# KiCad board ardumower mega shield svn.kicad_pcb (continued)
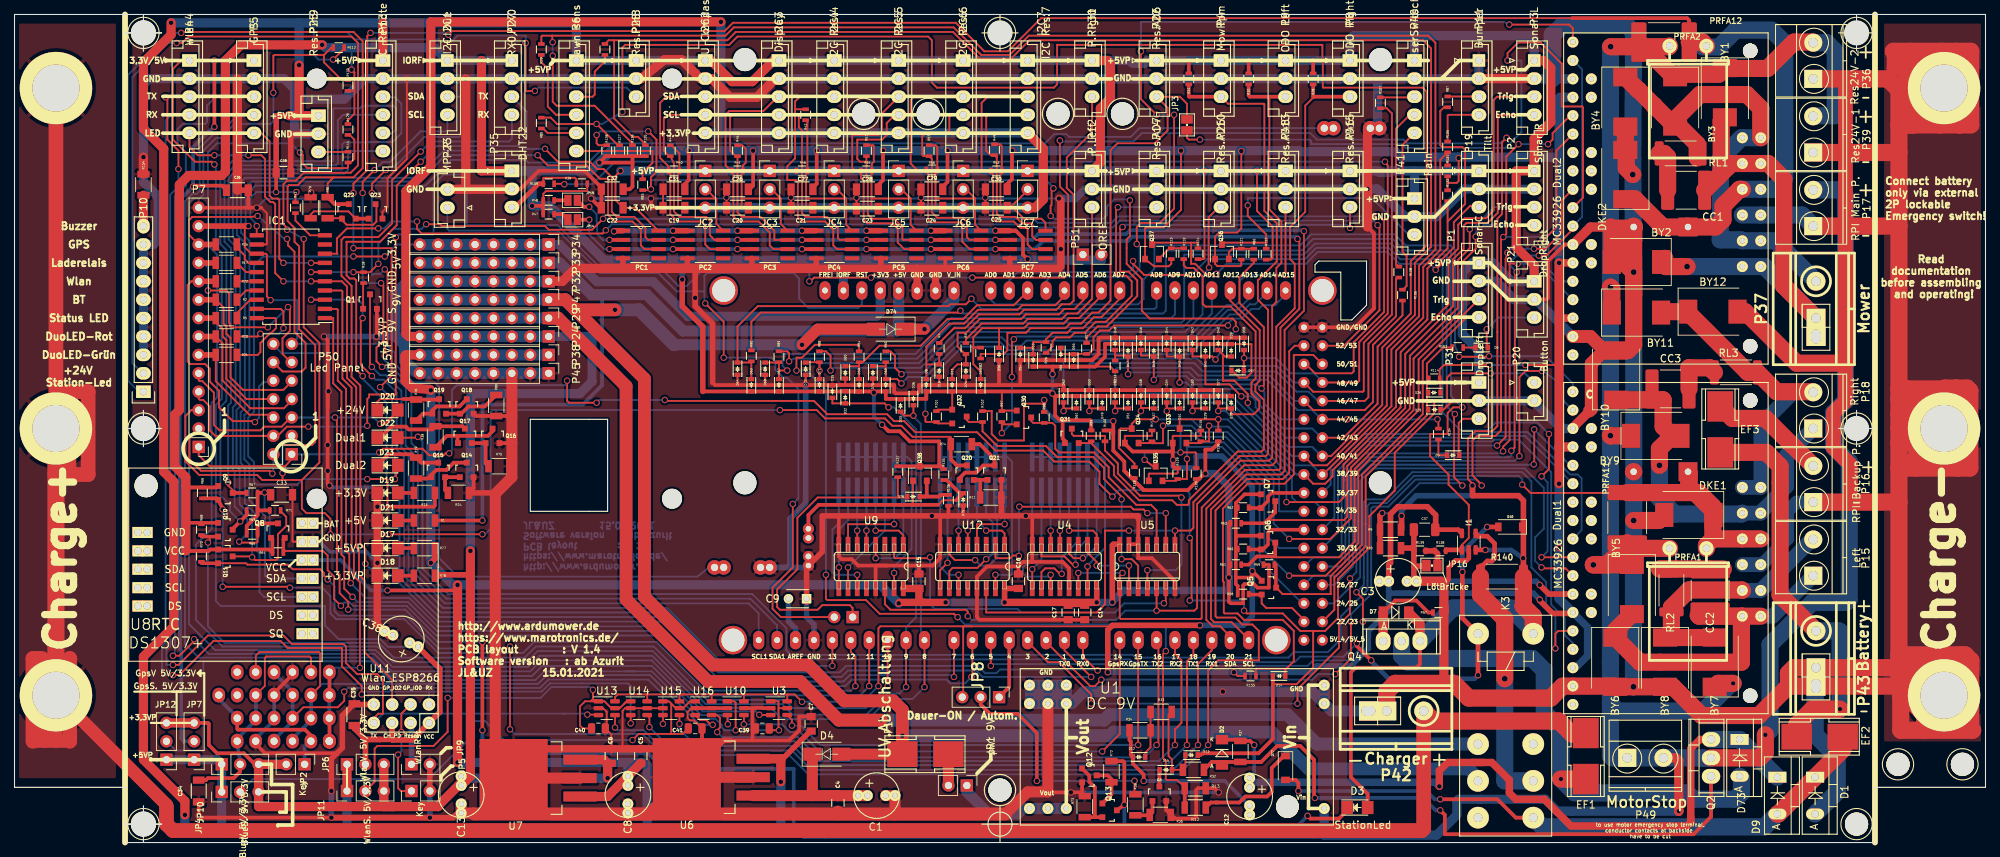
[diagram p0: board, top side]
## Routing (per net, layer and track width the routed paths; a pad name or vN(x,y) marks a point on that pad's centre or on a via; arc(x,y) is an arc through that point) (continued)
  Top w0.635: I1.2 200.53,39.24 200.22,38.93 198.69,38.93 197.74,37.97 197.74,36.32 197.1,35.69
  Top w0.762: 64.51,13.21 U7.4 68.83,8.9 ; 90.29,11.43 U6.4 97.78,14.1 98.68,14.1 ; 84.07,79.25 83.9,79.25 83.9,80.64 ; 41.87,97.79 38.1,97.79 38.08,97.77 C18.2 ; 41.12,41.63 41.02,41.53 ; 154.94,44.7 154.94,45.09 v1(139.45,45.09) 136.07,45.09 ; v1(43.69,3.43) v1(57.28,3.43) 60.45,3.43 60.96,3.94 63.37,3.94 ; U11.GND 47.24,19.05 ; 66.29,48.13 66.17,48.26 R24.2 ; 136.07,45.09 v1(126.49,45.09) 111.38,45.09 111.38,40.13 C2.2 109.22,37.97 C9.1 ; 136.07,45.09 R11.2 ; 136.07,50.05 Q21.2 ; 93.85,79.25 v1(93.85,75.18) 93.85,74.04 96.27,71.63 96.27,63.5 ; C36.2 30.73,90.04 ; JP16.2 194.61,38.15 192.96,38.15 ; 192.96,40.34 192.96,38.15 ; 192.96,40.34 C37.2 ; 192.96,40.34 192.66,40.64 R10.2 ; 192.96,38.15 192.96,36.4 C3.2 193.04,36.32 ; v1(43.69,7.11) 43.69,11.56 45.21,13.08 45.21,17.53 46.84,19.15 C35.2 ; JP9.2 JP5.2 ; 92.79,80.64 92.79,79.25 ; 110.57,80.64 110.57,79.25 ; 101.68,80.64 101.68,79.25 ; U8.2 U8.2 ; 213.87,34.29 Dual1.7 211.58,34.29 v1(210.31,35.56) ; 137.24,80.64 137.24,79.25 ; 119.46,80.64 119.46,79.25
  Top w1.016: 110.57,79.25 124.46,79.25 ; 127,79.25 136.4,79.25 ; 127,79.25 124.46,79.25 ; 127,79.25 SHIELD1.GND2 ; 137.24,79.25 136.4,79.25 ; 136.4,79.25 144.02,79.25 144.27,79.5 v1(144.27,81.91) 144.27,88.65 v1(144.02,88.9) ; 124.46,79.25 SHIELD1.GND1 ; 50.02,36.34 D18.1 ; D18.1 D17.1 D21.1 D19.1 ; D18.1 50.02,30.18 C38.2 51.57,28.63 C38.2 ; U6.4 88.78,12.94 C5.2 ; 86.31,12.89 C5.2 ; C5.2 C6.2 ; U7.4 72.88,12.94 C6.2 ; C6.2 82.34,12.89
  Top w1.27: 110.57,79.25 87.38,79.25 ; 62.23,90.17 59.69,90.17 ; 62.23,90.17 68.58,90.17 ; 62.23,90.17 v1(62.23,105.41) ; 264.41,25.91 262.64,24.13 260.1,24.13 ; B14.1 268.22,22.48 268.22,25.91 ; 269.75,15.75 270,15.49 ; 87.38,79.25 84.07,79.25 ; 87.38,79.25 82.17,79.25 ; 217.18,59.57 214.88,57.28 Dual1.16 ; I2C3.2 104.9,105.41 102.36,102.87 98.68,102.87 96.1,105.45 I2C2.2 94.58,105.45 91.95,108.08 89.66,108.08 86.4,105.45 P28.2 86.45,105.45 ; 186.56,84.96 186.56,98.43 186.69,98.55 ; 41.87,97.79 P25.2 ; 30.73,90.04 v1(30.73,105.41) ; 66.54,6.6 U7.4 ; 82.17,79.25 80.92,79.25 ; 82.17,79.25 77.34,79.25 75.56,77.47 P32.1 ; 81.79,3.94 81.91,4.06 C8.2 C8.2 ; R134.2 v1(17.78,94.62) ; 220.09,80.29 BY2.2 ; P11.2 P3.2 ; C4.2 113.54,3.94 ; Dual2.7 217.3,84.96 220.08,84.96 ; C3.2 196.72,36.07 197.1,35.69 197.1,31.76 R57.2 197.09,32.52 197.09,22.24 197.36,21.97
  Top w1.524: 70.1,8.89 U7.4 ; U7.4 66.29,11.42 66.29,48.13 68.58,50.42 P45.3 ; U7.4 68.83,9.91 ; U7.4 U7.2 ; 136.65,3.94 139.7,6.99 142.49,6.99 U1.1 142.5,19.17 ; 63.37,3.94 63.25,4.06 C13.2 C13.2 ; C1.2 C1.2 121.41,3.94 ; U6.2 U6.4 91.57,9.02
  Top w1.778: U6.4 87.62,3.94 84.84,3.94 ; 136.65,3.94 84.84,3.94 ; 63.37,3.94 84.84,3.94 ; Dual2.2 217.3,69.85 219.23,67.92 217.42,66.11 217.42,59.82 217.18,59.57
  Top w2.032: 269.75,24 269.75,15.75 ; 252.48,105.41 252.48,60.96 250.82,59.31 250.82,54.48 253.11,52.2 253.11,46.99
  Top w2.358: 259.33,21.59 259.84,22.1 259.84,24.13 ; 259.33,21.59 260.6,20.32 B14.1 ; 259.33,21.59 P43.1 244.6,21.59 ; 259.84,24.13 259.84,25.91 ; 259.84,24.13 259.33,24.13 ; 259.84,103.89 260.1,104.14 B12.1 ; 259.84,103.89 259.72,104.01 ; 259.84,103.89 259.84,99.06 ; B12.1 265.94,104.01 259.72,104.01 ; B12.1 260.99,99.06 261.81,99.06 ; B12.1 267.72,105.79 267.72,109.22 ; B12.1 268.22,101.98 268.22,99.06 ; B12.1 265.43,103.5 265.43,99.06 ; B12.1 263.27,106.93 259.33,106.93 259.33,108.97 259.08,109.22 261.37,109.22 ; B12.1 265.68,104.52 265.68,109.22 ; B12.1 266.06,101.22 268.22,99.06 ; 259.84,95.25 259.84,99.06 ; 259.84,95.25 P39.1 ; 259.84,95.25 259.84,85.09 ; 259.84,99.06 260.86,99.06 ; 259.72,104.01 258.32,105.41 P36.1 ; 259.72,104.01 261.81,101.92 261.81,99.06 ; 259.72,104.01 261.37,105.66 261.37,109.22 ; 259.84,46.99 259.84,51.69 ; 259.84,46.99 259.84,25.91 ; 259.84,46.99 P16.1 ; 259.84,51.69 259.84,55.12 ; 259.84,51.69 262.13,51.69 ; 259.84,57.15 259.84,59.18 ; 259.84,57.15 259.84,55.12 ; 259.84,57.15 B13.1 ; 259.84,59.18 259.84,61.21 ; 259.84,59.18 264.03,59.18 B13.1 ; 259.84,25.91 266.06,25.91 ; 266.06,62.61 266.19,62.74 267.72,62.74 ; 266.06,62.61 260.99,62.61 ; 266.06,62.61 B13.1 ; 259.84,62.61 259.84,85.09 ; 259.84,62.61 260.99,62.61 ; 259.84,62.61 259.84,61.21 ; 259.84,85.09 P17.1 ; 259.84,55.12 264.03,55.12 B13.1 ; 265.68,51.69 262.13,51.69 ; 265.68,51.69 266.06,51.69 B13.1 ; 265.68,51.69 267.97,51.69 ; 262.13,51.69 262.13,53.21 B13.1 ; 267.72,62.74 269.24,62.74 269.62,62.36 269.62,51.69 267.97,51.69 ; 267.72,62.74 267.72,58.8 B13.1 ; B13.1 267.97,55.25 267.97,51.69 ; B13.1 262,61.21 259.84,61.21 ; B13.1 266.06,57.53 260.99,62.61 ; 259.33,24.13 260.1,24.13 ; 259.33,24.13 P43.1 245.36,24.13 244.6,23.37 244.6,21.59 ; B14.1 262.25,24.13 260.1,24.13 ; B14.1 269.75,24 269.75,25.15 ; B14.1 264.03,22.35 260.1,22.35 ; B14.1 263.4,17.65 ; 269.75,25.15 268.99,25.91 266.06,25.91 ; 269.75,25.15 269.75,15.75 ; 260.1,24.13 260.1,22.35 ; 263.4,15.49 260.1,15.49 260.1,20.32 ; 263.4,15.49 270,15.49 266.06,19.43 266.06,25.91 ; 263.4,15.49 263.4,17.65 ; 260.1,22.35 260.1,20.32 ; 260.1,20.32 260.73,20.32 263.4,17.65 ; 267.72,109.22 269.75,109.22 269.75,99.06 268.22,99.06 ; 267.72,109.22 265.68,109.22 ; 260.86,99.06 265.43,99.06 ; 260.86,99.06 261.81,99.06 ; 265.43,99.06 268.22,99.06 ; 265.68,109.22 261.37,109.22 ; P42.1 189.23,20.83 190.37,21.97 198.5,21.97 200.53,19.94 211.84,19.94 213.49,21.59 Dual1.2 220.63,21.59 BY6.2 v3(223.24,21.49) BY8.2 228.7,21.49 232.66,17.53 240.54,17.53 244.6,21.59 ; 252.48,66.17 245.75,66.17 238.63,73.28 BY12.2 ; 220.25,84.8 221.9,83.15 223.26,83.15 ; 220.25,84.8 223.1,84.8 C11.2 ; 220.25,84.8 BY2.2 ; 220.25,84.8 220.08,84.96 ; v3(223.14,92.2) 222.25,93.09 222.25,95.6 ; C11.2 223.27,84.96 223.27,75.56 ; C11.2 223.26,83.15 ; v3(223.27,44.45) 226.72,44.45 DKE1.2 ; 219.23,67.92 BY10.2 222.48,67.92 223.27,68.71 223.27,75.56 ; 223.27,75.56 v3(223.27,78.74) 221.87,80.14 BY2.2 ; 223.26,83.15 BY2.2 ; DKE2.2 BY4.2
  Bottom w0.254: v1(98.17,89.03) 98.15,89 98.15,88.92 ; 98.15,88.92 107.04,88.9 ; 98.15,88.92 96.65,88.9 v1(87.76,88.9) ; 107.04,88.9 107.04,89 v1(107.06,89.03) ; 107.04,88.9 116.08,88.9 ; 116.08,88.9 116.08,88.98 v1(116.1,89) ; 116.08,88.9 124.97,88.9 ; 124.97,88.9 124.97,89 v1(124.99,89.03) ; 124.97,88.9 133.86,88.9 ; 133.86,88.9 v1(133.86,89.03) ; 133.86,88.9 v1(144.02,88.9) ; v1(43.31,62.29) 43.43,62.42 43.43,66.8 42.67,67.56 36.83,67.56 35.69,68.71 P50.14 35.69,68.77 ; v1(40.89,89.73) 40,88.84 34.61,88.84 v1(33.4,87.63)
  Bottom w0.508: v1(79.5,88.9) v1(87.76,88.9) ; 33.27,14.35 35.81,16.89 35.81,20.45 ; v1(50.04,38.61) 48.51,40.13 43.43,40.13 42.04,41.53 U8.2 ; v1(50.04,46.36) 50.04,48.39 49.4,49.02 43.81,49.02 43.56,49.28 v1(43.43,49.28) ; SHIELD1.GND5 181.1,71.12 ; v1(145.67,6.92) v1(166.05,6.92) ; Dual2.16 214.88,105.66
  Bottom w0.762: SHIELD1.GND3 110.24,30.1 109.22,31.11 C9.1 ; v1(43.69,7.11) v1(43.69,3.43) ; v1(42.67,69.85) v1(49.91,69.85) ; SP2.1 106.55,37.97 106.93,38.35 106.93,44.7 109.09,46.86 v1(109.09,63.25) ; SP2.1 109.22,37.97 C2.2 C2.2 ; SP2.1 SP2.1 ; JP5.2 v1(57.28,3.43) ; 193.04,36.32 C3.2 209.8,36.07 v1(210.31,35.56)
  Bottom w1.016: P12.2 147.61,90.21 146.3,88.9 v1(144.02,88.9) ; v1(49.91,69.85) 52.45,69.85 ; 39.52,41.53 41.02,41.53
  Bottom w1.27: 157.48,90.17 166.37,90.17 ; 201.93,60.96 209.55,60.96 ; P44.2 18.58,105.45 17.78,104.65 v1(17.78,94.62) 17.78,91.19 19.81,89.15 19.81,83.19 19.18,82.55 P10.9 P10.8 P10.7 P10.6 P10.5 P10.4 P10.3 ; 24.13,105.41 v1(30.73,105.41) 33.02,105.41 ; P25.2 38.65,97.83 38.61,97.79 38.61,102.62 ; 187.96,105.45 P40.2 ; 187.96,105.45 187.96,98.56 187.95,98.55 186.69,98.55 ; 187.96,105.45 P8.2 ; 38.61,102.62 45.47,102.62 48.3,105.45 P13.2 ; 38.61,102.62 38.61,104.01 37.17,105.45 P5.2 ; P19.2 199.94,90.21 196.13,86.4 P41.2 191.73,86.4 187.92,90.21 v1(186.56,90.21) P46.2 P48.2 P26.2 ; 50.8,105.41 v1(54.1,105.41) v1(62.23,105.41) 85.72,105.41 ; P9.2 P4.2 ; U1.1 U1.1 ; Dual1.16 213.23,57.15 209.55,60.83 P20.2 ; 201.93,90.17 209.55,90.17 ; I2C7.2 I2C6.2 I2C5.2 ; 167.26,105.41 139.7,105.41 ; 201.93,77.47 204.28,77.47 206.82,74.93 209.8,74.93 Dual2.2 ; 121.92,105.41 105.41,105.41 ; C3.2 C3.2 ; 193.04,105.41 201.93,105.41 P11.1 ; 214.88,105.54 Dual2.16 209.55,105.41 ; 175.26,105.41 184.15,105.41 ; P14.2 P12.2
  Bottom w1.524: 240.8,86.61 Dual2.21 ; U1.4 181.61,18.16 P42.1 P42.1 ; U1.4 178.94,20.83 v1(166.62,20.83) 147.45,20.83 145.8,19.18 U1.1 ; U1.4 U1.4 ; P32.1 P32.2 P32.3 P32.4 P32.5 P32.6 P32.7 P32.8 54.23,77.47 52.45,75.69 52.45,69.85 52.58,69.85 53.78,68.64 53.78,66.48 55.27,64.99 P45.8 P45.7 P45.6 P45.5 P45.4 P45.3 P45.2 P45.1 ; U1.1 U1.1 U1.1 ; U1.1 U1.1 ; U1.1 U1.1 ; U1.1 U1.1 ; U1.1 U1.1 ; U1.1 U1.1 ; U1.1 U1.1
  Bottom w1.778: P16.1 245.75,46.99 244.48,45.72 244.48,41.91 240.92,38.35 Dual1.21
  Bottom w2.032: Dual1.21 Dual1.21
  Bottom w2.358: 223.24,38.35 223.24,21.49 v3(223.24,21.49) ; 212.04,105.41 212.04,111.51 212.14,111.51 213.43,112.79 222.34,112.79 223.27,111.86 223.14,94.36 v3(223.27,78.74) v3(223.27,44.45) 223.27,39.24 223.24,39.21 223.24,37.97 ; P17.1 246.51,86.61 Dual2.21 Dual2.21 ; D1.2 251.33,6.99 251.33,11.94 250.06,13.21 249.94,13.21 248.29,14.86 248.29,24 P43.1 P43.1
/Anschlußstecker/Ausgang1: length 42.3
  Top w0.254: Q32.3 131.3,58.33 131.58,58.05 R102.2 133.48,56.77 135.51,54.74 142.24,54.74 143.76,53.21 148.72,53.21 150.24,51.69 150.24,50.17 152.65,47.75 v1(152.65,47.37) ; v1(152.65,39.12) 154.05,39.12 154.94,38.23 U5.3
  Bottom w0.254: v1(152.65,39.12) v1(152.65,47.37)
/Anschlußstecker/Ausgang2: length 38.3
  Top w0.254: Q31.3 145.8,56.39 146.05,56.13 150.37,56.13 R100.2 150.37,54.1 152.15,52.32 152.15,50.93 155.19,47.88 160.66,47.88 v1(160.91,47.62) ; U5.4 v1(156.21,37.59)
  Bottom w0.254: v1(156.21,37.59) 160.15,37.59 160.91,38.35 v1(160.91,47.62)
/Anschlußstecker/Ausgang3: length 30.2
  Top w0.254: Q30.3 140.19,58.21 140.47,57.92 R98.2 143.12,57.92 143.51,57.53 143.51,54.36 144.02,53.85 148.84,53.85 150.88,51.82 150.88,50.42 154.69,46.61 156.72,46.61 157.48,45.85 U5.10
/Anschlußstecker/Eingang1: length 113.8
  Top w0.254: v1(152.78,37.21) 152.4,36.83 U5.1 152.4,30.99 152.53,30.86 163.58,30.86 163.7,30.99 163.7,46.23 169.55,52.07 173.42,52.07 173.99,52.64 173.99,71.2 176.53,73.74 176.53,79.88 175.9,80.52 175.9,84.96 177.98,87.05 177.98,101.73 179.2,102.95 ; v1(146.69,37.21) U4.14
  Top w0.508: 179.07,104.46 179.07,102.95 P8.3
  Bottom w0.254: v1(146.69,37.21) v1(152.78,37.21)
/Anschlußstecker/Eingang2: length 135
  Top w0.254: U9.14 120.02,32.89 120.78,32.13 131.19,32.13 131.45,31.88 v1(131.45,31.24) ; 173.04,102.95 173.04,87.38 174.69,85.72 174.69,80.01 173.99,79.31 173.99,74.61 173.42,74.04 173.42,53.15 172.97,52.7 169.04,52.7 163.07,46.74 163.07,32.39 162.69,32 v1(157.48,32) U5.5
  Top w0.508: P9.3 170.35,102.95 170.18,103.12 170.18,104.46
  Bottom w0.254: v1(131.45,31.24) 131.95,30.73 151.89,30.73 153.16,32 v1(157.48,32)
/Anschlußstecker/Eingang3: length 124.7
  Top w0.254: 160.02,41.78 U5.8 v1(160.02,43.05) 162.18,43.05 162.56,43.43 162.56,46.99 168.91,53.34 172.53,53.34 172.85,53.66 172.85,73.53 171.45,74.93 171.45,77.6 174.05,80.2 174.05,85.47 172.34,87.19 172.34,101.92 172.28,101.98 167.34,101.98 P4.3 ; U12.14 133.99,31.75 149.23,31.75 150.37,32.89 150.37,43.05 v1(153.67,43.05)
  Top w0.508: P4.3 162.01,102.95 161.93,103.03 161.93,104.46
  Bottom w0.254: v1(153.67,43.05) v1(160.02,43.05)
/Batterieeingang 24V: length 106.8
  Top w0.508: v1(170.94,13.46) 170.38,14.02 R37.1 168.86,14.2 D2.1 ; C12.1 C12.1
  Top w1.016: 201.04,11.05 197.61,11.05 196.47,9.91 v1(196.47,7.75) ; 201.04,11.05 202.56,11.05 ; 201.04,11.05 203.71,11.05 206.12,8.64 206.12,6.86 207.01,5.97 210.95,5.97 214.63,2.29 230.63,2.29 231.14,2.79 ; 231.14,2.79 231.14,12.95 232.41,14.22 Q2.3 ; 231.14,2.79 231.14,3.56
  Bottom w0.508: C12.1 170.94,9.53 v1(170.94,13.46)
  Bottom w1.016: v1(196.47,7.75) 195.9,8.32 171.01,8.32 C12.1
  Bottom w2.358: D9.1 D73.1 Q2.3
/Eingang: length 71.2
  Top w2.358: v2(213.23,8.76) 216.66,8.76
  Bottom w2.358: v2(213.23,8.76) 213.23,15.62 210.95,17.91 210.95,23.75 209.3,25.4 197.87,25.4 197.36,24.89 192.15,24.89 191.26,25.78 Q4.2 ; v2(213.23,8.76) 213.27,8.8 ; v2(213.23,8.76) 215.14,6.86 230.63,6.86 231.52,5.97 237.24,5.97 238.12,6.86 238.12,8.89 D73.2
/Motortreiber/D1_M1_IN1: length 51.2
  Top w0.508: Dual1.19 238.12,31.24
  Top w2.358: Dual1.19 232.28,31.24 232.16,31.37 ; Dual1.19 238.12,31.11 238.12,24.89 224.13,24.89 BY6.1 220.73,29.24 BY5.2 ; Dual1.19 234.81,31.24 ; Dual1.19 Dual1.19
  Bottom w2.032: P15.1 242.44,31.24 Dual1.19
/Motortreiber/D1_M1_IN1_1: length 52
  Top w2.358: v3(226.82,52.07) 226.82,54.36 228.6,56.13 ; 228.6,56.13 227.33,57.4 227.33,61.08 227.29,61.12 BY10.1 ; 228.6,56.13 BY9.2
  Bottom w2.032: P18.1 244.35,53.47 244.35,49.15 240.79,45.59 Dual1.23 Dual1.23
  Bottom w2.358: Dual1.23 238.12,45.34 228.98,45.34 226.82,47.5 v3(226.82,52.07)
/Motortreiber/D1_M1_IN2: length 46
  Top w2.358: BY11.2 227.17,73.28 BY12.1 230.79,73.12 239.01,64.9 RL3.2 242.99,62.23 247.95,62.23 P18.2
  Bottom w2.032: 248.03,62.23 245.26,62.14 240.79,57.67 Dual1.24 Dual1.24
/Motortreiber/D1_M1_IN2_1: length 34.9
  Top w2.358: BY7.2 BY8.1 228.47,29.18 RL2.2 228.47,32.45 230.89,34.86 238.19,34.86 Dual1.20
  Bottom w2.032: Dual1.20 Dual1.20 247.82,41.83 P15.2
/Motortreiber/D2_M2_IN1: length 70.9
  Top w2.358: BY1.2 235.33,99.6 235.33,92.32 234.82,91.81 ; P37.1 243.97,76.84 243.97,91.57 241.81,93.73 Dual2.23 Dual2.23 236.74,93.73 234.82,91.81 ; 234.82,91.81 CC1.1 ; 227.56,80.64 BY2.1 227.68,79.5 v3(230.63,79.5)
  Bottom w2.358: P37.1 P37.1 241.3,79.5 Dual2.19 Dual2.19 v3(230.63,79.5)
/Motortreiber/D2_M2_IN2: length 72.1
  Top w2.358: 226.03,101.73 226.09,101.73 ; 226.09,101.73 223.9,103.91 223.84,103.91 BY4.1 ; 226.09,101.73 BY3.2 ; BY3.2 229.59,98.84 232.03,96.39 232.03,94.49 ; BY3.2 228.98,99.82 232.41,103.25 238.89,103.25 240.79,101.35 Dual2.24
  Bottom w1.778: 241.05,83.06 Dual2.20 239.01,83.06
  Bottom w2.032: 241.05,83.06 Dual2.20
  Bottom w2.358: P37.2 242.82,83.06 Dual2.20 Dual2.20 238.12,83.19 235.2,83.19 235.2,86.34 235.24,86.38 235.24,94.4 238.12,97.28 Dual2.24 Dual2.24
/Vout-: length 44
  Top w0.635: 202.18,38.23 202.18,36.74 R140.2 202.14,37.93 203.07,38.86 203.71,38.86 204.09,39.24 204.09,41.28 203.07,42.29 201.86,42.29 I1.4
  Top w2.358: R140.2 202.14,34.2 205.49,30.86 v3(205.49,22.61)
  Bottom w2.358: v3(205.49,22.61) 205.49,8.51 K3.12
Charg_Pin_+: length 409
  Top w1.778: 4.19,13.97 2.54,13.97 ; 4.19,13.97 5.71,13.97 ; 4.19,13.97 4.19,25.02 3.81,25.4 ; 5.71,13.97 7.62,13.97 ; 5.71,13.97 B11.1 5.84,20.32 20.96,5.21 20.96,4.95 ; B10.1 7.37,58.8 7.37,62.23
  Top w2.032: 2.54,13.97 2.54,25.4 3.81,25.4 ; 7.62,102.23 B9.1 B10.1 7.49,55.37 7.49,50.8 ; 20.96,4.95 20.96,2.54 21.84,1.65 194.06,1.65 194.31,1.91 P42.2 ; 7.37,62.23 10.16,62.23 10.16,50.8 7.49,50.8 ; 7.49,50.8 5.71,50.8 ; B11.1 5.71,23.5 7.62,25.4 7.62,13.97
  Top w2.358: B10.1 B11.1 ; P42.2 195.71,16.76 212.98,16.76 214.76,14.99 216.54,14.99 EF1.1
DHT22: length 11.9
  Top w0.254: R109.1 72.91,91.71 72.97,91.76 77.27,91.76 77.47,91.57 77.47,90.94 R39.2 77.34,90.93
  Top w0.635: R109.1 72.26,90.93 69.04,87.71 P35.3
DropLeft: length 7.9
  Top w0.254: 201.6,58.5 P31.3 199.72,58.5 199.14,57.91 199.14,53.56 D5.1
DropRight: length 9.8
  Top w0.254: 202.93,68.33 203.01,68.4 v1(203.01,70.85)
  Bottom w0.254: v1(203.01,70.85) 204.63,72.47 P21.3
Dual1: length 251
  Top w0.254: v1(55.63,56.01) 55.5,55.88 D22.2 52.85,56.16 ; 234.19,43.69 233.68,43.18 233.3,43.18 ; PRFA11.1 222.33,48.26 209.04,48.26 v1(207.9,49.4) ; PRFA1.1 233.3,40.77
  Top w2.358: 234.19,41.91 233.3,41.02 PRFA1.1 ; 234.19,41.91 Dual1.22 Dual1.22 ; 234.19,41.91 234.19,46.38 232.27,48.31 PRFA11.1 ; 230.89,49.12 230.89,51.05 C10.1 ; 230.89,49.12 234.41,45.59 ; 230.89,49.12 230.89,50.89 230.87,50.91
  Bottom w0.254: 187.71,46.86 187.96,46.86 ; 187.96,46.86 189.23,46.86 192.99,50.62 207.44,50.62 207.9,50.17 v1(207.9,49.4) ; 187.96,46.86 186.94,46.86 186.56,46.48 186.56,36.2 186.56,34.88 182.9,31.22 182.9,28.08 181.1,26.29 176.4,26.29 175.64,25.53 154.56,25.53 154.18,25.91 107.06,25.91 106.43,26.54 106.43,29.59 101.73,34.29 59.82,34.29 56.26,37.85 56.26,55.37 v1(55.63,56.01)
  Bottom w1.778: Dual1.22 238,41.91
Dual2: length 329
  Top w0.254: v1(59.82,111.51) 60.33,112.01 97.92,112.01 99.06,113.16 129.79,113.16 133.73,109.22 136.99,109.22 141.57,113.79 215.14,113.79 215.21,113.72 ; v1(49.09,111.76) 48.64,111.32 48.64,92.84 46.74,90.93 v1(46.74,89.66) ; D23.2 52.96,51.97 v1(52.45,50.17) ; v1(50.42,62.86) 52.01,64.45 52.01,82.04 v1(46.74,82.04) ; PRFA2.1 233.3,111
  Top w0.508: 230.93,113.24 PRFA12.1 230.93,113.49 230.63,113.79 214.76,113.79
  Top w2.358: PRFA12.1 232.76,110.49 PRFA2.1 ; C11.1 230.63,85.09 ; C11.1 234.57,84.96 235.59,85.98 235.59,87.88 237.87,90.17 Dual2.22 ; C11.1 227.3,84.96 223.46,88.8 222.25,88.8
  Bottom w0.254: 243.08,90.81 242.44,90.17 Dual2.22 ; v1(59.82,111.51) 59.56,111.76 v1(49.09,111.76) ; v1(50.42,62.86) 52.07,61.21 52.07,53.85 52.45,53.47 v1(52.45,50.17) ; v1(46.74,82.04) v1(46.74,89.66)
  Bottom w2.358: 232.79,109.82 235.05,109.82 237.36,112.14 242.32,112.14 244.09,110.36 244.09,91.69 242.57,90.17 Dual2.22 ; Dual2.22 240.54,90.17
DuoLED-Rot: length 136.2
  Top w0.254: v1(129.54,22.86) SHIELD1.7 ; v1(46.36,35.81) 46.16,36 46.16,39.81 45.72,40.26 45.72,62.61 44.58,63.75 44.58,73.53 44.45,73.66 42.17,73.66 43.05,73.66
  Bottom w0.254: v1(129.54,22.86) 129.29,23.11 115.19,23.11 114.3,22.22 96.52,22.22 88.9,29.84 58.33,29.84 54.39,33.78 48.39,33.78 v1(46.36,35.81)
DuoLED_Grün: length 139.4
  Top w0.254: IC1.1 42.17,72.39 43.94,72.39 43.94,63.37 45.08,62.23 45.08,39.75 45.47,39.37 45.47,35.05 v1(46.61,33.91) ; v1(131.95,22.86) 132.08,22.99 SHIELD1.6 132.08,27.05
  Bottom w0.254: v1(46.61,33.91) 47.34,33.17 54.28,33.17 58.25,29.21 88.65,29.21 96.27,21.59 114.55,21.59 115.44,22.48 128.52,22.48 129.03,21.97 131.06,21.97 v1(131.95,22.86)
GPS-LED: length 26.1
  Top w0.254: P5.5 34,97.95 35.18,96.77 35.18,89.28 35.56,88.9 36.32,88.9 36.51,88.71 36.51,80.58 v1(37.08,80.01) ; 42.17,80.01 v1(40.89,80.01)
  Bottom w0.254: v1(40.89,80.01) 37.34,80.01 37.08,80.26 v1(37.08,80.01)
GPS_RX: length 66.3
  Top w0.254: 155.45,27.43 SHIELD1.15 ; SHIELD1.15 v1(154.94,13.46) ; SHIELD1.15 154.94,27.43 ; v1(107.2,16.14) 107.2,16.94 U3.4
  Bottom w0.254: v1(154.94,13.46) 111.12,13.46 108.44,16.14 v1(107.2,16.14)
GPS_TX: length 70
  Top w0.254: 100.58,17.59 U10.4 100.58,16.34 v1(100.56,16.32) ; SHIELD1.14 152.4,27.43 ; SHIELD1.14 152.4,27.69 ; SHIELD1.14 152.4,14.99 v1(149.99,12.57)
  Bottom w0.254: v1(149.99,12.57) 111,12.57 108.33,15.24 106.93,15.24 105.85,16.32 v1(100.56,16.32)
  Bottom w0.508: SHIELD1.14 152.4,27.31
IOREF: length 1224.2
  Top w0.254: 119.13,90.3 119.46,90.3 ; 154.05,68.83 153.96,68.92 153.54,68.92 ; 164.19,61.59 D29.1 ; 110.24,90.17 110.08,90.02 110.08,89.79 ; 110.47,84.56 PC4.1 110.57,84.63 ; 92.27,84.45 PC2.1 91.95,84.45 ; 78.98,90.67 R39.1 ; R39.1 78.98,90.54 ; R39.1 78.98,89.93 75.82,89.92 73.28,89.92 72.91,89.55 R48.1 ; R115.1 163.58,56.13 159.77,56.13 159.71,56.07 Q33.1 ; R119.1 160.4,51.05 160.27,50.93 156.46,50.93 156.4,50.87 Q35.1 ; R117.1 156.84,56.13 153.1,56.13 153.1,55.13 ; R113.2 151.1,65.7 148.59,65.7 ; R101.1 127.33,59.75 Q32.1 129.3,62.25 D11.1 ; D33.1 122.11,61.24 120.65,61.24 ; 130.68,20.07 130.81,20.19 130.81,29.72 130.94,29.84 131.95,29.84 ; 131.95,29.84 119.38,29.84 119.13,29.59 v1(119.13,21.59) ; 131.95,29.84 151.26,29.84 ; v1(169.16,95.44) 169.16,84.77 168.59,84.2 166.12,84.2 165.55,83.63 Q36.1 165.55,79.88 165.86,79.57 169.04,79.57 169.16,79.69 R121.1 ; v1(160.85,95.5) 160.85,87.31 158.43,84.9 156.02,84.9 155.9,84.78 Q37.1 157.14,79.54 159.17,79.54 159.51,79.88 R123.1 ; 46.86,103.77 46.86,100.58 45.97,99.7 R129.2 ; 46.86,103.77 46.86,106.3 v1(46.48,106.68) ; 46.86,103.77 R130.2 ; v1(118.49,62.1) 118.49,62.27 ; v1(118.49,62.1) 118.66,62.27 119.38,62.27 ; v1(118.49,62.1) 118.33,62.27 117.86,62.27 ; 197.61,91.06 R131.2 ; 197.61,91.06 198.88,91.06 199.14,91.31 v1(199.14,94.49) ; 197.61,91.06 R132.2 ; v1(168.15,23.5) 168.66,22.99 R133.2 ; v1(203.33,65.91) 197.1,65.91 196.52,65.33 R114.2 196.62,63.91 D26.1 ; v1(208.34,65.91) 212.98,65.91 ; 105.28,20.45 106.68,20.45 ; 105.28,20.45 100.58,20.45 ; 105.28,20.45 105.54,20.45 ; 106.68,20.45 107.57,20.45 v1(108.58,19.43) ; 106.68,20.45 106.55,20.31 U3.6 ; U16.6 96.13,20.33 96.01,20.45 ; 96.01,20.45 95.25,20.45 ; 96.01,20.45 100.58,20.45 ; 95.25,20.45 92.33,20.45 ; 95.25,20.45 94.87,20.45 ; 127.64,84.45 PC6.1 127.76,84.45 ; D39.1 170.56,68.8 170.56,64.83 169.89,64.17 168.88,64.17 167.89,65.15 D57.1 ; 100.58,20.45 100.58,20.44 U10.6 ; U13.6 82.8,20.06 83.19,20.45 87.12,20.45 ; 92.33,20.45 91.69,20.45 91.69,19.5 U15.6 ; 92.33,20.45 87.12,20.45 ; Dual2.3 215.01,72.26 ; 87.12,20.45 87.24,20.33 U14.6 87.25,19.5 ; PC7.1 136.65,84.45 ; Q30.1 136.22,59.62 R97.1 136.14,62.27 ; Dual1.15 214.76,54.61 ; PC5.1 119.13,84.45 ; PC3.1 101.6,84.45
  Top w0.48: 168.4,36.58 168.4,35.69 168.67,35.42 R58.1 ; 168.4,36.58 170.43,36.58 170.69,36.83 v1(170.69,37.47) 171.97,36.18 Q5.1 ; 168.4,36.58 168.4,39.5 ; R60.1 168.4,40.25 168.4,39.5 ; 168.4,39.5 168.4,41.53 ; 168.59,42.35 168.4,42.16 168.4,41.53 ; 168.4,41.53 168.4,45.47 ; R62.1 168.4,45.96 168.4,45.47 ; 168.4,45.47 168.4,46.86 169.61,48.07 Q7.1 ; Q8.1 35.57,41.85 R64.1 ; 23.62,44.13 Q10.1
  Top w0.508: 168.59,42.35 Q6.1 ; 140.42,65.66 D53.1 143.13,65.7 ; 154.05,68.83 150.37,68.83 150.37,67.06 149.01,65.7 D65.1 143.13,65.7 ; 118.94,90.49 119.13,90.3 ; R119.1 160.03,51.68 159.77,51.94 v1(159.77,52.83) 159.71,52.89 Q33.1 159.71,53.97 154.18,53.97 153.1,55.05 153.1,55.13 ; R99.1 148.46,58.17 148.34,58.29 144.53,58.29 ; 144.53,58.29 144.53,55.75 144.85,55.43 Q31.1 ; 144.53,58.29 144.15,58.29 143.51,58.93 143.49,58.93 143.49,61.62 ; D32.1 114.6,62.27 D59.1 ; 23.62,49.21 23.82,49.01 R66.1 27.88,49.01 Q9.1 ; 143.13,65.7 v1(143.13,64.64) ; 143.49,61.62 v1(143.13,61.98) 142.84,62.27 D55.1 ; 143.49,61.62 D61.1 D49.1 ; R64.1 35.13,40.45 Q11.1 26.99,40.45 26.79,40.25 R70.1 23.62,40.25 ; C32.1 84.84,90.17 85.22,90.55 85.22,93.85 ; v1(139.7,80.52) 139.06,81.15 139.06,83.44 138.05,84.45 PC7.1 ; v1(137.54,95.5) 137.54,91.57 136.88,90.91 C30.1 ; v1(128.65,95.5) 128.65,91.19 127.99,90.53 C29.1 ; v1(119.76,95.5) 119.76,91.44 119.1,90.78 C28.1 ; v1(110.62,95.5) 110.62,90.93 110.08,90.4 C27.1 ; v1(101.85,95.5) 101.85,90.68 101.35,90.17 C26.1 ; v1(92.96,95.5) 92.96,91.44 92.43,90.91 C31.1 ; 85.22,93.85 v1(80.64,93.85) 81.55,94.75 R128.2 R127.2 R126.2 ; 85.22,93.85 R126.2 ; 120.4,56.9 120.33,56.96 ; 120.33,56.96 v1(119.63,57.66) ; 120.33,56.96 120.52,56.77 122.05,56.77 123.44,55.37 127.51,55.37 127.51,52.19 127.77,51.93 ; 127.77,51.93 R135.1 ; 127.77,51.93 Q38.3 124.84,51.93 R137.2 ; v1(71.37,87.88) 72.9,87.88 72.91,87.9 ; R48.1 72.91,87.9 ; 72.91,87.9 R47.1 ; 94.91,62.27 D63.1 D67.1 D71.1 D59.1 ; R126.2 R125.2 ; D47.1 D45.1 D43.1 D41.1 D39.1 ; 133.11,62.27 D11.1 D8.1 125.73,61.24 120.14,61.24 D69.1 D59.1 ; 150.05,61.62 D51.1 D37.1 157.1,61.68 157.16,61.62 D31.1 D29.1 D28.1
  Top w0.635: C37.1 199.07,43.18 I1.5
  Top w0.762: v1(163.45,29.97) 151.38,29.97 150.75,29.34 v1(150.75,23.5) ; v1(99.69,84.45) PC3.1 ; v1(117.48,84.45) PC5.1 ; v1(135.26,84.45) PC7.1 ; v1(210.31,33.53) 210.31,33.4 212.09,31.62 214.76,31.62 Dual1.6 ; v1(92.08,77.72) 92.08,74.04 94.91,71.21 94.91,62.27 ; v1(82.67,84.36) 82.76,84.45 PC1.1 ; PC4.1 v1(108.58,84.45) ; 189.74,36.32 C3.1 189.48,38.35 189.74,38.61 189.74,45.34 190.75,46.36 194.82,46.36 195.96,45.21 195.96,43.23 C37.1 ; PC2.1 v1(90.8,84.45) ; PC6.1 v1(126.36,84.45)
  Top w1.016: 212.98,72.26 213.11,72.39 Dual2.3 ; Dual2.6 v1(212.98,80.01)
  Top w1.27: v1(64.39,107.95) 64.39,92.71 P35.1 ; v1(42.42,110.11) 31.24,110.11 29.08,107.95 29.08,92.58 28.57,92.08 24,92.08 22.73,90.81 22.73,59.69 22.1,59.06 22.1,51.94 23.62,50.42 23.62,40.25 ; 212.98,54.61 v1(212.98,49.53) ; 212.98,54.61 v1(212.98,80.01) ; 212.98,54.61 Dual1.15
  Bottom w0.254: 214.76,102.74 Dual2.15 214.88,102.74 ; v1(169.16,95.44) 169.16,95.5 ; v1(108.58,19.43) 116.97,19.43 v1(119.13,21.59) ; v1(46.48,106.68) 46.48,109.73 ; v1(199.14,94.49) 199.14,94.62 ; v1(203.33,65.91) v1(208.34,65.91)
  Bottom w0.508: v1(143.13,64.64) v1(143.13,61.98) ; v1(139.7,80.52) 139.7,80.39 ; v1(119.63,57.66) 118.49,58.8 v1(118.49,62.1) ; Dual1.6 214.88,31.5
  Bottom w0.762: 215.27,24.13 Dual1.3 ; v1(163.45,29.97) 169.42,29.97 170.69,31.24 v1(170.69,37.47) 170.69,49.15 166.5,53.34 162.94,53.34 162.94,51.69 160.02,51.69 159.77,51.94 v1(159.77,52.83) ; v1(135.26,84.45) v1(126.36,84.45) v1(117.48,84.45) v1(108.58,84.45) v1(99.69,84.45) v1(90.8,84.45) 82.76,84.45 v1(82.67,84.36) ; v1(150.75,23.5) v1(168.15,23.5) 178.69,23.5 179.58,24.38 184.28,24.38 186.69,26.8 186.69,29.21 189.48,32 189.48,34.67 ; 192.28,34.42 209.42,34.42 v1(210.31,33.53) ; 192.28,34.42 190.5,34.42 ; 192.28,34.42 189.74,34.42 189.48,34.67 ; 189.48,34.67 C3.1 ; 92.08,80.39 v1(92.08,77.72)
  Bottom w1.016: 215.27,24.13 216.92,25.78 216.92,29.72 Dual1.6
  Bottom w1.27: Dual2.15 213.11,102.87 212.98,102.74 212.98,94.62 ; 113.28,80.39 81.28,80.39 73.79,87.88 v1(71.37,87.88) 71.37,92.71 P35.1 79.5,92.71 v1(80.64,93.85) 82.3,95.5 v1(92.96,95.5) v1(101.85,95.5) v1(110.62,95.5) v1(119.76,95.5) v1(128.65,95.5) v1(137.54,95.5) v1(160.85,95.5) 177.17,95.5 177.29,95.38 190.37,95.38 191.14,94.62 212.98,94.62 ; 113.28,80.39 114.3,80.39 SHIELD1.IORE ; 113.28,80.39 138.68,80.39 ; 212.98,94.62 v1(212.98,80.01) ; 138.68,80.39 139.7,80.39 ; 138.68,80.39 145.92,80.39 ; P51.2 149.86,80.39 145.92,80.39 ; 145.92,80.39 146.56,80.39 P51.1 ; v1(212.98,49.53) v1(212.98,40.64) 212.98,33.66 Dual1.6 ; v1(42.42,110.11) 42.48,110.11 42.86,109.73 57.91,109.73 I2C1.1 v1(64.39,107.95) P27.1 ; C3.1 C3.1
